# KiCad board pcb.kicad_pcb (continued)
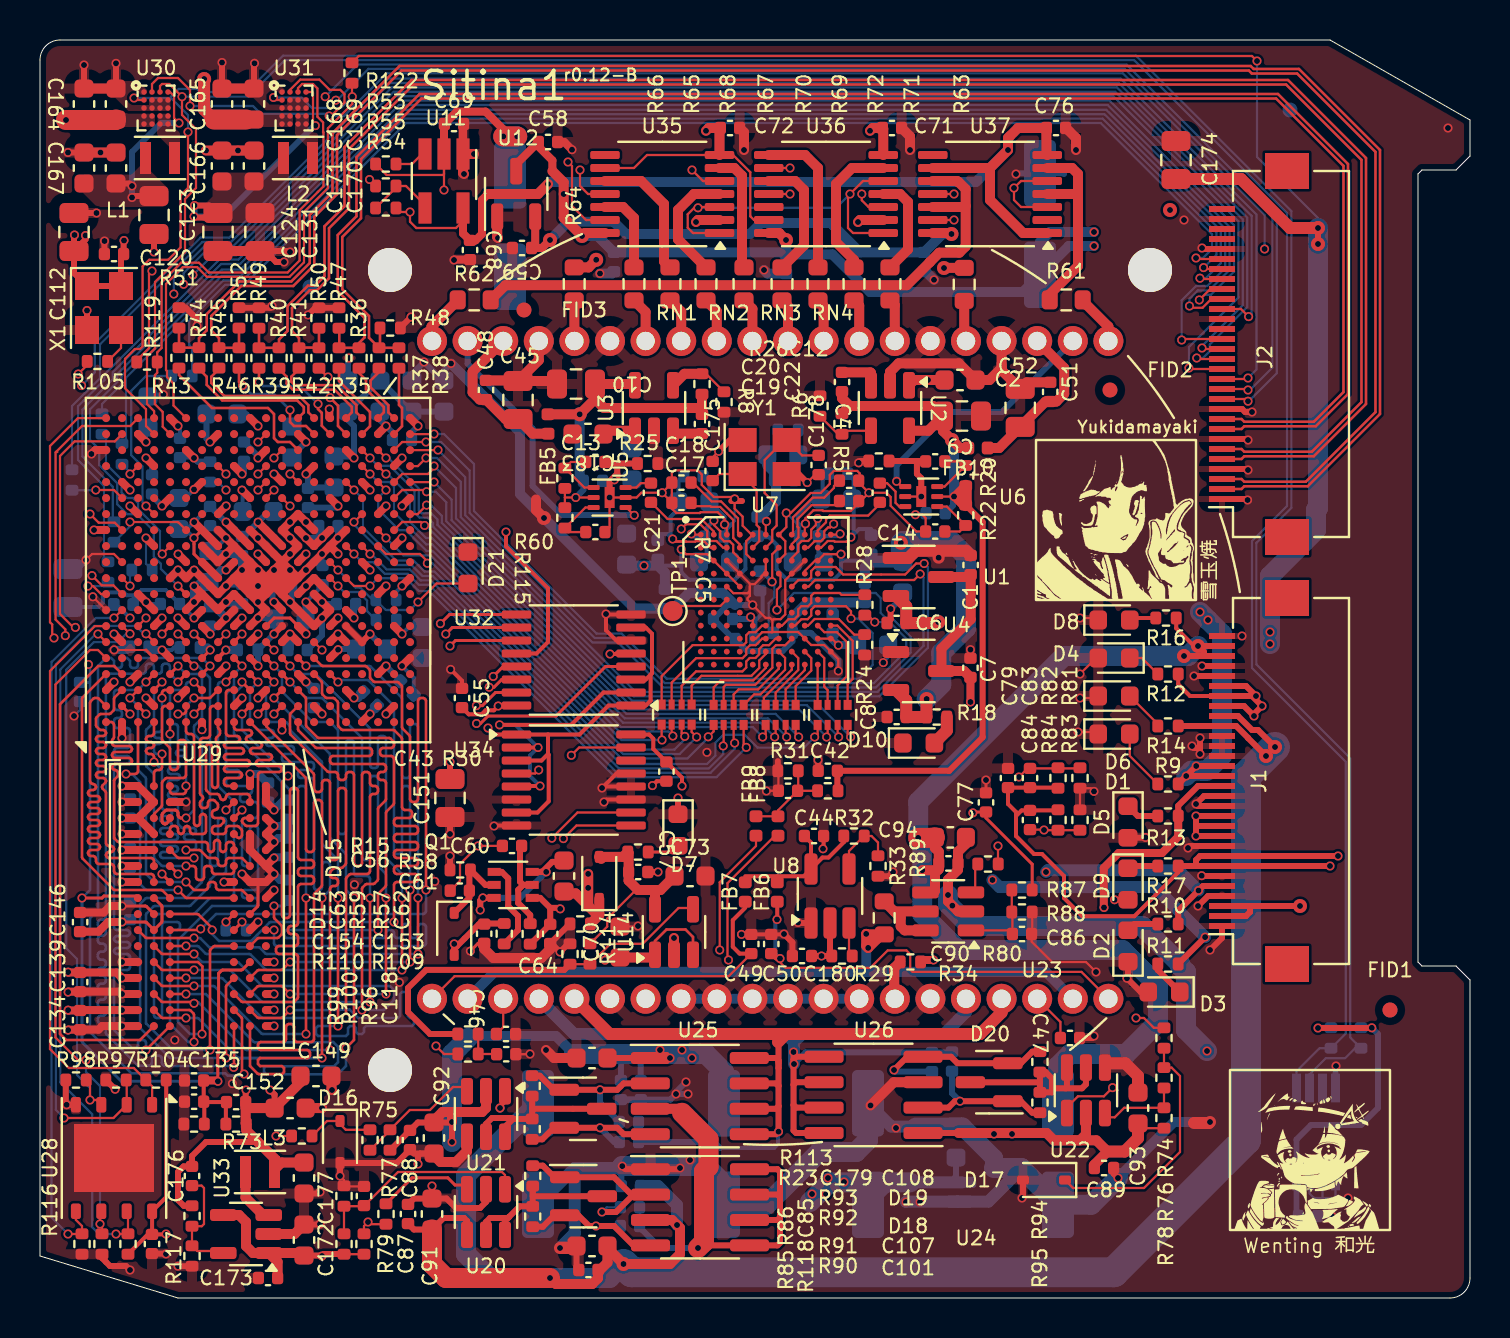
[diagram p0: board, top side]
## Nets (continued)
Net-(U11-NR/FB): R54.2 R55.1 U11.4
Net-(U14-ADJ): R113.1 R114.1 R115.2 U14.4
Net-(U20-IN+): R79.2 U20.3
Net-(U20-IN-): C85.2 R85.1 R86.2 U20.1
Net-(U21-IN+): R75.2 R77.2 U21.3
Net-(U21-IN-): C83.2 R81.1 R82.2 U21.1
Net-(U22-IN+): R76.2 R78.2 U22.3
Net-(U22-IN-): C84.2 R83.1 R84.2 U22.1
Net-(U23-IN+): R80.2 U23.3
Net-(U23-IN-): C86.2 R87.1 R88.2 U23.1
Net-(U23-OUT_SNK): R89.2 U23.5 U23.6
Net-(U25-SP): C95.1 C96.2 U24.5 U24.6 U24.7 U24.8 U25.3
Net-(U27F-PS_MIO40_501): R123.1 U27.D14
Net-(U27F-PS_MIO41_501): R124.1 U27.C17
Net-(U27F-PS_MIO42_501): R125.1 U27.E12
Net-(U27F-PS_MIO43_501): R126.1 U27.A9
Net-(U27F-PS_MIO44_501): R127.1 U27.F13
Net-(U27F-PS_MIO45_501): R128.1 U27.B15
Net-(U27G-PS_DDR_VRN_502): R108.2 U27.G5
Net-(U27G-PS_DDR_VRP_502): R107.2 U27.H5
Net-(U29-ZQ): R111.2 U29.L8
Net-(U33-FB): C176.1 R116.1 R117.2 U33.5
Net-(U33-SW): L3.1 U33.3
Net-(X1-OUT): R105.1 X1.3

Pads without a net: J1 MP; J2 MP; U7 B1 B11 C1 C11 D1 D2 D5 D10 D11 E1 E2 E10 E11 F1 F2 F4 F8 F9 F10 F11 G1 G2 G3 G4 G8 G9 G10 G11 H1 H2 H3 H4 J1 J2 J3 J4 K1 K2 K3 K4 K5 L1 L2 L3 L4 L5 L11; U9 3; U27 A15 A16 A17 A19 B5 B17 B18 B20 C5 C8 C10 C11 D10 D11 D13 D16 D18 E6 E11 E14 E17 E18 F14 F15 F16 F17 F19 G14 G15 G17 G18 G19 G20 H15 H16 H18 H20 J14 J15 J16 J18 J19 J20 K14 K16 K17 K18 K19 L14 L20 M14 M17 M19 M20 N15 N17 P1 P3 P14 P15 P16 P18 R1 R2 R3 R14 R16 R17 R18 T1 T2 T4 T5 T9 T14 T15 T17 U2 U3 U4 U5 U7 U8 U9 U10 U13 U15 V1 V2 V3 V5 V6 V7 V8 V10 V11 V15 W1 W3 W4 W5 W6 W8 W9 W10 W11 W14 Y1 Y2 Y3 Y4 Y6 Y7 Y8 Y9 Y11 Y12 Y13; U29 J1 J9 L1 L9 M7; U34 14; U35 8; U36 12; U37 2 8

## Via types
v1: diameter 0.45, hole 0.3, Top to Bottom, 649 vias
v2: diameter 0.7, hole 0.3, Top to Bottom, 25 vias
v3: diameter 0.46, hole 0.3, Top to Bottom, 13 vias

## Routing (per net, layer and track width the routed paths; a pad name or vN(x,y) marks a point on that pad's centre or on a via; arc(x,y) is an arc through that point)
+1V0_PL: length 32.9
  Top w0.11: v1(13.77,58.62) 13.65,58.73 13.65,60.25 13.6,60.3 U31.A4
  Top w0.15: U27.G11 7.7,37.2 v1(7.7,38) 8.1,38.4 U27.G13
  Top w0.3: v1(7.72,54.62) 8.45,54.62 8.82,54.25 C124.1 8.68,54.03 7.75,54.03 v1(7.7,54.08)
  Top w0.4: 14.5,38.4 v1(14.1,38) 13.7,37.6 v1(13.3,38) 12.9,38.4 ; 10.5,37.6 v1(9.3,38.8) 9.7,38.4 ; U27.H10 U27.G11 ; v1(7.7,38.8) 8.9,37.6 ; v1(10.9,38.8) 12.1,37.6
  Bottom w0.2: v1(7.7,38) 7.25,38.45 C128.1 7.36,38.45 v1(7.7,38.8) 8.48,39.58 C125.1
  Bottom w0.3: v1(13.77,58.62) 13.72,58.62 9.18,54.08 v1(7.7,54.08) 7.72,54.1 v1(7.72,54.62) ; C119.1 13.94,38.16 v1(14.1,38) v1(13.3,38) ; C125.1 9.28,38.8 v1(9.3,38.8) 10.02,38.08 C116.1 10.18,38.08 v1(10.9,38.8) 11.43,39.32 C122.1
+1V0_PS: length 17.5
  Top w0.11: v1(6.95,58.75) 6.7,59 6.7,60.1 6.5,60.3 U30.A4
  Top w0.15: U27.N7 12.5,34 11.71,34 U27.L7
  Top w0.3: v1(4.6,55.6) 4.47,55.73 C166.1 ; v1(4.6,55.03) 4.68,55.1 C123.1
  Top w0.4: 13.7,34.4 v1(13.3,34.8) ; 12.9,33.6 v1(13.3,33.2) ; U27.G7 8.11,33.6 v1(8.5,33.2) ; 9.7,33.6 v1(10.1,34) ; 14.5,33.6 v1(14.9,34)
  Bottom w0.2: C117.1 14.12,35.62 v1(13.3,34.8)
  Bottom w0.3: v1(8.5,33.2) 8.5,33.2 C115.1 ; v1(13.3,34.8) 13.28,34.78 C121.1 13.28,33.23 v1(13.3,33.2) ; v1(4.6,55.03) v1(4.6,55.6) 4.6,57.3 6.05,58.75 v1(6.95,58.75)
  Bottom w0.4: 8.5,33.62 v1(8.5,33.2)
+1V5: length 64
  Top w0.2: v1(23.3,38.3) 23.3,37.58 25.4,35.48 25.4,32.8 24.82,32.23 U32.12
  Top w0.4: U12.2 24.76,52.68 C59.1 25.1,52.5 v2(25.5,52.9)
  Top w0.5: U37.14 45.53,53.25 v2(45.57,53.2)
  In2.Cu w0.11: v2(25.5,52.9) 24,54.4 21.4,54.4 20.83,53.83 16.65,53.83 15.12,52.3 15.12,50.25 17.4,47.97 17.4,46.3 17.78,45.92 19.45,45.92 22.8,42.57 22.8,38.8 v1(23.3,38.3)
  Bottom w0.5: v2(45.57,53.2) 45.12,53.2 C65.1 41,52.28 39.53,53.75 36.05,53.75 35.5,53.2 29.3,53.2 28.69,53.81 26.41,53.81 v2(25.5,52.9)
+1V8: length 33
  Top w0.3: 56.55,54.45 v2(56.5,54.4)
  Top w0.4: 15.3,42.4 v1(15.7,42) ; 7.3,34.4 v1(7.7,34.8) 8.1,35.2 8.9,34.4 v1(9.3,34.8) 9.7,35.2 10.5,34.4 ; 11.3,36.8 v1(10.9,37.2) ; 12.9,35.2 v1(13.3,35.6) 13.7,36 14.5,35.2 ; U27.G9 v1(7.7,35.6) ; 17.7,41.6 v1(18.1,42) ; 16.9,39.2 v1(17.3,39.6) ; 9.7,36.8 v1(9.3,36.4) ; 12.1,34.4 v1(11.7,34.8) ; 14.5,40 v1(14.9,39.6) ; 18.5,44 v1(18.9,43.6) ; 12.9,36.8 v1(13.3,37.2) ; 7.3,36.8 v1(6.9,37.2) ; 12.9,43.2 v1(13.3,42.8)
  Bottom w0.2: v1(4.5,34) 3.82,34.68 3.66,34.68 ; v1(7.7,35.6) 7.91,35.8 C129.1
  Bottom w0.3: v1(9.3,34.8) 9.38,34.72 C126.1 ; C127.1 11.62,34.88 v1(11.7,34.8) ; C133.1 C132.1 ; C132.1 18.55,44.33 C184.1 16.95,45.88 C185.1 15.4,43.9 15.7,43.6 v1(15.7,42) 15.62,42.08 C130.1 ; C132.1 18.6,43.9 v1(18.9,43.6) 18.58,43.28 C156.1 ; C157.1 12.6,42.1 v1(13.3,42.8) ; C155.1 14.82,39.52 v1(14.9,39.6)
  Bottom w0.4: v1(7.7,34.8) 7.7,35.59 v1(7.7,35.6) ; C129.1 9.05,36.4 v1(9.3,36.4)
+1V8A: length 21.9
  Top w0.11: U7.H5 35.64,33.94 v3(35.53,34.05) ; U7.J10 U7.J11 39.59,32.97 v1(39.92,32.64)
  Top w0.6: v2(44.91,33.8) 44.86,33.75 C6.1 43.31,34.58 U1.2
  In2.Cu w1: v2(44.91,33.8) 43.75,32.64 v1(39.92,32.64) 36.7,32.64 35.53,33.81
  Bottom w0.11: 35.35,33.94 35.46,34.05 v3(35.53,34.05)
  Bottom w0.2: 35.82,33.95 35.83,33.95 36.13,34.24 36.13,35.25 FB1.2 ; 35.82,33.95 35.72,33.85 35.72,33.25 ; 35.82,33.95 35.63,33.95 v3(35.53,34.05)
  Bottom w0.3: C27.2 35.72,33.86 v3(35.53,34.05) 35.43,33.95 C33.2
  Bottom w0.4: C35.2 39.93,32.65 v1(39.92,32.64) 39.63,32.93 C34.2
+1V35: length 57.2
  Top w0.15: v1(4.1,18.8) 5.26,18.8 arc(5.3,18.79) 5.33,18.77 5.7,18.4 6.07,18.77 arc(6.09,18.8) 6.1,18.84 6.1,19.56 arc(6.09,19.6) 6.07,19.63 5.7,20
  Top w0.3: v1(10.3,10.4) 10.28,10.38 C153.1 ; v1(11.5,10.4) 11.73,10.17 C152.1 ; 10.9,7.8 8.3,7.8 7.6,7.1 C176.2 7.18,6.58 6.9,6.3 6.9,4.9 7.19,4.61 R116.2 ; C151.1 v1(20.5,26.8)
  Top w0.4: 3.3,30.4 v1(3.7,30.8) ; 8.9,31.2 v1(9.3,31.6) ; 14.5,32 14.9,32.4 v1(14.9,32.42) ; 4.9,24 4.11,24 v1(4.1,24) ; 4.9,24 5.7,23.2 ; 4.9,24 5.7,24.8 4.9,25.6 v1(4.1,25.6) ; 9.7,20.8 v1(9.2,20.8) ; 4.9,16 v1(4.1,16) 3.82,16.28 C139.1 1.42,16.28 v1(1.4,16.3) ; 5.7,29.6 v1(5.3,30) ; 4.9,21.6 v1(4.1,21.6) ; 6.5,32 v1(6.1,32.4) ; 4.24,14.4 2.02,14.4 C134.1 1.42,14.38 v1(1.4,14.4) ; 4.24,14.4 U29.R1 ; 4.24,14.4 v1(4.1,14.4) ; 11.3,16 v1(11.7,16) ; 11.3,22.4 v1(11.7,22.8) 11.3,23.2 v1(11.7,23.6) 11.3,24 ; 11.3,30.4 v1(10.9,30) ; 8.1,28.8 v1(8.1,28.42) ; 10.5,18.4 v1(10.9,18.8) ; 13.7,29.6 v1(14.1,29.2) ; 16.1,28.8 v1(16.5,29.2) ; 11.3,14.4 v1(11.7,14.4) ; 10.5,25.6 v1(10.5,26.2) ; 16.9,31.2 v1(17.3,31.6) ; 11.3,20 v1(11.7,20.4) ; C146.1 2.92,18.32 3.41,18.8 v1(4.1,18.8)
  Top w0.5: C149.1 13.03,10.79 C152.1 10.29,9.5 10.28,9.5 ; 10.28,9.5 10.28,8.73 R109.1 10.31,8.39 11.72,6.97 L3.2 11.72,6.43 12.07,6.78 C177.1 ; 10.28,9.5 C153.1
  Bottom w0.2: v1(6.1,32.4) 6.58,32.4 6.71,32.53 R108.1
  Bottom w0.3: v1(14.9,32.42) 14.94,32.45 C148.1 ; v1(17.3,31.6) 18.01,30.89 C145.1
  Bottom w0.4: 11.4,25.72 10.95,26.17 arc(10.92,26.19) 10.88,26.2 v1(10.5,26.2) ; 16.84,29.58 16.5,29.23 v1(16.5,29.2) ; C138.1 5.61,32.4 v1(6.1,32.4) ; v1(11.7,22.8) 11.9,23 C137.1 C147.1 12.07,23.6 v1(11.7,23.6) ; v1(14.1,29.2) 13.7,29.6
+2V: length 157.4
  Top w0.2: v1(28.5,32.2) 28.79,32.2 28.81,32.23 U32.5 ; v1(22.98,28.66) 26.56,28.66 28.18,30.28 U32.2 ; U34.5 23.85,25.6 v1(25,25.6) ; v1(24.9,27.53) U34.2
  Top w0.3: 60.5,19.6 v2(63,19.6) ; 60.5,19.6 J1.3 ; 60.5,19.6 60.5,19.3 60.3,19.1 J1.2
  Top w0.4: U12.3 23.81,56.69 C58.1 24.92,57.58 25.62,56.88 25.62,56.34
  Top w0.5: U35.14 27.25,53.25 v2(27.1,53.1) 26.19,54.02 v1(26.19,55.2) 26.19,55.78 25.62,56.34 ; v2(37.3,52.9) 36.95,53.25 U36.14
  In2.Cu w0.11: v1(22.98,28.66) 22.52,29.12 22.52,29.78 22.05,30.25 22.05,42.38 19.23,45.2 17.3,45.2 16.74,45.76 16.74,47.69 14.46,49.97 14.46,52.57 16.89,55 25.99,55 v1(26.19,55.2)
  In2.Cu w0.2: v1(28.5,32.2) 27.56,31.27 27.56,29.87 25.22,27.53 v1(24.9,27.53)
  In2.Cu w1.5: v2(63,19.6) 63,35.3 59.29,39.01 59.29,54.21 57.7,55.8 54.5,55.8 52.7,54 v1(52.7,52.6)
  Bottom w0.2: v1(22.98,28.66) 23.77,28.66 v1(24.9,27.53) 24.5,27.12 24.5,26.1 v1(25,25.6)
  Bottom w0.5: v2(27.1,53.1) 27.88,53.1 C66.1 37.2,52.28 C67.1 ; v1(52.7,53.3) 50.5,53.3 50,52.8 C53.1 ; C67.1 v2(37.3,52.9) ; C67.1 39.62,52.18 41.5,50.3 49.14,50.3 C53.1 ; C53.1 50.3,51.46 ; C53.1 51.44,52.6 v1(52.7,52.6)
+3V0: length 58.1
  Top w0.11: v3(40.05,37.19) 39.21,37.19 U7.C10 38.75,36.87 38.24,36.36 U7.D9 ; U7.E4 U7.D3 U7.C2 33.37,37.19 32.31,37.19 v1(32.06,37.43)
  Top w0.6: v2(44.33,29.95) 44.32,29.94 R18.2 C8.1 43.31,29.88 U4.2
  In2.Cu w1: v2(43.04,37.76) 41.38,36.1 38.7,36.1 37.8,37 34.6,37 33.9,36.3 30.52,36.3 v1(30.2,36.62)
  Bottom w0.2: 40.05,36.77 v3(40.05,37.19) ; 40.05,36.77 40.15,36.87 41.56,36.87 ; 40.05,36.77 40.05,36.28 39.68,35.91 37.35,35.91 36.83,36.43 36.83,37.66 36.45,38.04 35.63,38.04 35.27,37.69 35.27,36.45 34.73,35.91 32.44,35.91 32.06,36.29 32.06,36.64 ; 32.06,36.64 32.04,36.62 31.15,36.62 ; 32.06,36.64 v1(32.06,37.43)
  Bottom w0.5: C31.2 41.24,36.55 41.56,36.87 ; 29.39,36.62 v1(30.2,36.62) 30.89,36.62 31.24,36.27 C32.2
  Bottom w0.6: 43.13,36.83 41.61,36.83 41.56,36.87
  Bottom w1: v2(44.33,29.95) 45.06,30.68 45.06,32.26 46.3,33.5 46.3,37.1 45.55,37.85 43.13,37.85 v2(43.04,37.76) 43.04,36.92 43.13,36.83
+3V3: length 488.5
  Top w0.11: v1(60.85,61.85) 60.6,62.1 15.94,62.1 R122.1 ; R85.2 R118.2 ; U30.A2 5.6,60.7 5.9,61 6.9,61 7.5,60.4 v1(7.5,59.6) ; U31.A2 12.5,60.41 13.01,60.92 13.97,60.92 14.48,60.41 15.01,60.41 15.22,60.2 15.22,59.77 14.55,59.1 v1(14.46,59.1) 14.48,59.12 ; v1(5.6,51.35) 5.45,51.2 5.45,47.49 4.84,46.88 R119.1 ; v1(22.91,29.6) 22.94,29.62 U32.16
  Top w0.15: v1(46.64,24.26) 46.69,24.3 C77.2 47.3,24 49.61,21.69 R87.2
  Top w0.2: C55.1 21.44,29.18 22.08,29.18 22.28,29.39 22.69,29.39 v1(22.91,29.6) ; R104.1 6.31,5.04 U28.8 5.6,3.19 C118.2 ; v1(6.3,3.2) 6.28,3.18 C118.2 ; R96.1 5.39,3.18 C118.2 ; U34.16 30.46,28.18 30.66,27.97 30.66,27.46 C57.1 32.1,26.02 v1(32.1,25.6)
  Top w0.3: v1(2.28,53.12) 2.28,52.93 C112.2 ; 57.8,23.5 v1(57.8,23.1) J1.10 ; 57.8,23.5 57.9,23.6 ; 57.8,23.5 57.8,23.9 ; C173.2 11.9,1.02 11.9,1.89 11.44,2.35 ; J1.12 v1(57.8,24.1) 57.8,23.9 ; C172.1 14.07,2.12 v1(14.1,2.1) 14.2,2.2 15.39,2.2 ; 57.8,23.9 57.8,23.7 57.9,23.6 ; v2(63.9,52.7) v2(63.9,53.5) 63.85,53.45 ; v1(66.59,13.51) 66.58,13.5 v1(63.9,13.5) ; J1.11 57.9,23.6 ; v1(4.2,52.88) 4.18,52.86 C120.2 4.05,52.07 X1.4 X1.1 1.7,51.25 C112.2 ; C112.2 1.7,53.12 v1(1.72,53.15)
  Top w0.4: 5.7,33.6 v1(6.1,34) ; 14.5,32.8 v1(14.9,33.2) 15.3,32.8 ; 9.7,41.6 v1(10.1,41.2) ; 10.5,44 v1(10.9,43.6) ; C7.1 v1(46.52,29.8) ; 15.3,34.4 v1(15.7,34) ; 5.7,37.6 v1(5.3,38) ; v1(9.3,39.6) 9.3,39.6 8.9,39.2 ; 12.1,40.8 v1(11.7,41.2) ; 6.5,40 v1(6.1,39.6) ; 7.3,42.4 v1(7.7,42) ; 12.1,32.8 v1(12.5,33.2) 12.9,32.8 ; 10.5,32.8 v1(10.9,33.2) ; 4.1,40.8 v1(4.5,40.4) ; 17.7,33.6 v1(18.1,33.2) ; 18.5,36 v1(18.1,35.6) ; 4.9,43.2 v1(5.3,42.8) ; 16.1,36.8 v1(16.5,36.4) ; 3.3,38.4 v1(2.7,38.4) ; 4.1,32.8 v1(3.7,33.2)
  Top w0.5: U33.1 10.65,2.25 10.3,2.6 10.3,3.8 9.95,4.15 U33.4 ; U33.1 13.07,2.25 C172.1 ; U33.1 11.88,1.81 C173.2 ; U1.3 46.41,36.05 C1.1 46.53,33.93 45.07,32.47 U4.3 46.2,31.35 C7.1
  Top w0.6: v2(8.21,60.95) 8.21,59.42 8.7,58.93 ; v2(63.9,53.5) 62.5,53.5 60.05,55.95 C174.1
  Top w1: v2(1.3,58.9) 3.78,58.9 C165.1 ; 10.3,58.93 8.7,58.93
  In2.Cu w1: 46.47,27 53.7,27 ; 46.47,27 46.47,24.44 v1(46.64,24.26) 46.59,24.2 33.88,24.2 32.29,25.79 ; 46.47,27 46.47,29.74 v1(46.52,29.8) ; 53.7,27 56.9,23.8 57.8,23.8 57.89,23.71 57.89,23.19 ; 53.7,27 55.8,27 v1(61.5,32.7) v1(61.5,33.3) ; v1(6.3,3.2) 13,3.2 v1(14.1,2.1) 18.5,2.1 21.7,5.3 33.5,5.3 36.1,2.7 53.58,2.7 63.9,13.02 v1(63.9,13.5) 63.9,18.58 66.5,21.18 66.5,38.4 63.9,41 v2(63.9,52.7) 63.9,55.3 58.3,60.9 2.6,60.9 1.3,59.6 v2(1.3,58.9)
  In3.Cu w0.3: v1(22.91,29.6) 22.71,29.6 21.02,31.3 21.02,31.63 20.73,31.92 20.4,31.92 19.11,33.2 v1(18.1,33.2)
  Bottom w0.11: 63.9,54 60.85,57.05 v1(60.85,61.85) ; v1(61.23,52.45) 61.23,54.15 54.14,61.23 17.34,61.23 15.2,59.1 v1(14.46,59.1) 14.35,59.21 11.04,59.21 10.65,59.6 v1(7.5,59.6) ; R112.1 5.3,36.71 v1(5.3,38)
  Bottom w0.2: C158.1 7.68,42.02 v1(7.7,42) ; C160.1 5.3,43.43 v1(5.3,42.8) ; R102.1 17.82,33.48 v1(18.1,33.2) 18.45,33.55 C163.1 ; v1(18.1,35.6) 17.81,35.31 R101.1
  Bottom w0.3: v1(7.7,42) 7.88,41.82 R103.1 ; R120.1 v1(66.59,13.51) 66.9,13.2 66.9,9.5 66.05,8.65 63.55,8.65 62.82,7.93 62.82,4.19 C181.2 ; v1(15.7,34) 15.7,34.61 C162.1 ; v1(10.9,43.6) 10.3,44.2 C111.2 ; v1(6.1,39.6) 5.6,40.1 C161.1 ; C159.1 10.2,41.3 v1(10.1,41.2) ; v1(63.9,13.5) 63.91,13.51 R121.1
  Bottom w0.4: C110.2 12.5,32.5 v1(12.5,33.2)
  Bottom w1: v2(63.9,53.5) 63.9,39.5 63.8,39.4 63.8,38.4 61.5,36.1 v1(61.5,32.7)
+5V: length 57.3
  Top w0.2: R16.2 56.81,33.49 57.7,32.6 v2(57.9,32.6)
  Top w0.3: J1.28 58.2,32.1 ; 58.2,32.1 v2(57.2,32.1) ; 58.2,32.1 58.2,32.3 v2(57.9,32.6) J1.29
  Top w0.5: 44.06,20.28 44.67,20.28 44.75,20.36 44.75,21.1 ; C94.2 44.74,22.51 44.94,22.31 C90.2 44.94,21.44 44.89,21.39 v1(44.11,21.39)
  Top w1: v1(43.91,23) 44.72,23 C94.2
  Bottom w1: 56.2,32.1 57.4,32.1 v2(57.9,32.6) ; 56.2,32.1 v2(57.2,32.1) ; 56.2,32.1 51.2,32.1 43.91,24.81 v1(43.91,23) 44.11,22.8 44.11,19.2 45.91,17.4 54.11,17.4 55.9,15.61 55.9,13.8 54.3,12.2 51.5,12.2 50.9,11.6 C82.1
+8V: length 108.1
  Top w0.3: R14.2 J1.21 59.81,28.6 60.4,28.01 60.4,28 v2(61.3,27.1) ; 21.35,2.95 21.35,3.85 21.2,4 20.18,4 C91.2 18.69,3.43 C87.2 ; v2(61.75,27.55) 60.9,28.4 60.6,28.4 59.9,29.1 J1.22
  Top w0.5: U24.3 31.6,3.9 v1(31.85,3.65) 32,3.5 32,2.2 31.5,1.7 v2(29.18,1.7) 28.38,2.5 28.38,1.78 27.9,1.3 27.9,0.99 27.61,0.7 25.8,0.7 v2(25.5,1)
  Top w1: C91.2 19.6,1.7 20.3,1 v2(25.5,1)
  Bottom w0.6: v1(31.85,3.65) 31.85,4.65 30.9,5.6 C104.2
  Bottom w1: 26.5,1 28.47,1 v2(29.18,1.7) ; 26.5,1 v2(25.5,1) ; 26.5,1 22.5,1 21.3,2.2 21.3,6.14 C81.1
  Bottom w1.5: v2(29.18,1.7) 29.59,1.29 53.69,1.29 60.3,7.9 60.3,26.1 v2(61.75,27.55)
+15VL: length 41.2
  Top w0.11: U6.5 v1(45.7,40.07) 46.26,40.07 46.29,40.1 ; 46.29,40.1 R20.1 ; 46.29,40.1 R22.1
  Top w0.3: R30.1 39.87,25.39 C42.1 45.46,26.36 47.13,28.03 47.13,38.8 45.86,40.07 v1(45.7,40.07)
  Top w0.4: R22.1 46.13,39.65 v1(45.7,40.07) 46.24,40.61 R20.1
  Top w0.5: 40.49,44.6 44.65,44.6 C9.1 ; 40.49,44.6 40.1,44.99 C4.2 ; 40.49,44.6 R5.1 ; FB10.1 46,42.5 v2(45.6,42.9) 45.15,43.35 C9.1 ; C9.1 44.41,43.36 U2.5
  Top w0.6: R20.1 R22.1
  Bottom w0.3: C16.1 45.65,39.62 45.65,40.02 v1(45.7,40.07)
  Bottom w0.5: v2(45.6,42.9) 45.7,42.8 v1(45.7,40.07)
+15VR: length 18.8
  Top w0.11: 26.24,40.02 v1(26.79,40.02) U5.5 ; 26.24,40.02 R19.1 ; 26.24,40.02 R21.1
  Top w0.5: 27.75,44.95 v2(26.99,44.19) FB5.1 ; 27.75,44.95 C10.1 29.69,45.7 U3.5 ; 27.75,44.95 28.2,44.5 33,44.5 33.1,44.6 ; R7.1 33.1,44.6 ; 33.1,44.6 C5.2
  Bottom w0.3: v1(26.79,40.02) 27.17,40.41 C15.1
  Bottom w0.5: v2(26.99,44.19) 26.99,41.04 C15.1
+16V: length 56.8
  Top w0.3: J1.16 v1(57.31,26.1) R9.2 v1(57.81,26.6) J1.17
  Top w0.5: C183.1 28.34,43.36 U3.1 ; U2.1 43.71,45.9 v1(44.4,45.9) C2.1
  In2.Cu w1: v1(29,43.36) 31.54,45.9 v1(44.4,45.9) 49.2,45.9 58,37.1 v1(58,34.3)
  Bottom w0.3: C2.1 v1(44.4,45.9) ; C3.1 29.6,42.76 v1(29,43.36)
  Bottom w1: v1(58,34.3) v1(58.4,33.9) 59.1,33.2 59.1,27.12 58.35,26.37 57.57,26.37 v1(57.31,26.1)
+22V: length 50.1
  Top w0.13: U14.3 32.65,18.05 32.28,18.43 31.32,18.43 30.75,17.85 U14.1
  Top w0.3: 25.51,19.5 25.01,20 Q1.4 ; 25.51,19.5 C62.2 24.52,17.69 R57.1 ; 25.51,19.5 25.96,19.5 v1(26.01,19.46) ; R10.2 56.91,19.36 v1(57.93,20.38) 58.15,20.6 J1.5
  Top w0.4: v1(28.25,16.89) 28.39,17.03 C70.1
  Top w0.5: U14.1 30.61,17.03 C70.1
  In2.Cu w0.4: v1(28.25,16.89) 28.25,18.85 28.4,19
  In2.Cu w0.6: v1(50.3,21.3) 47.9,18.9 45.1,18.9 44.2,19.8 29.2,19.8 28.4,19 26.5,19 26.12,19.38 26.01,19.38
  Bottom w0.6: v1(57.93,20.38) 56.91,21.39 50.39,21.39 v1(50.3,21.3)
-3V5: length 81.4
  Top w0.11: 21.15,54.65 21.15,53.85 20.8,53.5 18.81,53.5 18.5,53.82 v1(18.5,54.3) 18,54.3 R54.1
  Top w0.15: v1(22.66,31.08) 23.16,31.58 U32.13
  Top w0.4: 21.15,54.65 21.15,53.23 C68.1 21.78,52.88 22.1,53.2 22.1,54.9 22.4,55.2
  Top w0.5: 47.5,56.5 v1(48.4,57.4) 48.4,58 48.9,58.5 C76.2 50.32,57.19 U37.7 ; 47.5,56.5 47.5,54.9 49.15,53.25 U37.1 ; 47.5,56.5 U37.9 ; v1(25.4,55.7) 24.9,55.2 22.4,55.2
  In2.Cu w0.11: v1(22.66,31.08) 22.5,31.24 22.5,42.56 19.36,45.7 17.6,45.7 17.18,46.12 17.18,47.88 14.9,50.16 14.9,52.39 16.81,54.3 v1(18.5,54.3)
  Bottom w0.5: v1(48.4,57.4) 46.8,55.8 25.5,55.8 v1(25.4,55.7)
-4V: length 197.6
  Top w0.11: 20.2,57.35 20.2,56.2 20.15,56.15 17.33,56.15 R53.1 ; U36.13 35.7,53.9 35.51,54.09 35.51,56.29 34.65,57.15 U35.7 30.35,57.15 29.7,56.5 U35.9 ; v1(20.2,55.4) U11.2
  Top w0.2: U32.3 30.29,30.93 30.53,31.17 ; U34.7 24.88,24.28 25.44,24.84 25.44,27.17 25.4,27.2 ; 48.8,24.1 48.8,24.3 48.4,24.7 C79.1 C83.1 50.87,25.52 R82.1 ; 48.8,24.1 48.8,23.1 49.7,22.2 50.1,22.2 51.2,21.1 51.2,20 52.11,19.09 54.72,19.09 56.91,21.28 R17.2 ; 48.8,24.1 49.08,24.38 C84.1 50.87,24.38 R84.1 ; 25.4,27.2 25.07,26.88 U34.3 ; 25.4,27.2 25.4,28.18 ; 30.53,31.17 30.53,29.87 30.29,29.62 U32.1 28.43,29.62 26.97,28.18 25.4,28.18 ; 30.53,31.17 30.6,31.24 30.6,33.21 30.29,33.53 U32.7 ; 25.4,28.18 U34.1 22.72,28.18 v1(22.4,28.5)
  Top w0.3: v1(64.9,22.1) J1.8 58,22.1 57.8,21.9 57.8,21.6 ; 57.8,21.6 R17.2 ; 57.8,21.6 J1.7 v1(64.5,21.6)
  Top w0.4: U11.2 20.2,58.68 C69.1 20.84,59.32 22.28,59.32 23.16,58.44 v3(23.16,58.08)
  Top w0.5: U35.7 33.97,58.46 C72.2 33.44,58.5 v1(33.3,58.36) ; U36.7 42.16,58.46 C71.2 41.64,58.5 v1(41.5,58.36)
  Top w1: v3(23.16,58.08) v3(23.86,58.08)
  In2.Cu w0.11: v1(20.2,55.4) 20.02,55.58 17.15,55.58 14.24,52.67 14.24,49.88 16.52,47.6 16.52,45.6 17.22,44.9 19.22,44.9 21.83,42.29 21.83,30.16 22.3,29.69 22.3,28.6 v1(22.4,28.5)
  In2.Cu w1.5: v1(64.9,22.1) 64.9,37.3 62.4,39.8 62.4,54.3 58.2,58.5 23.71,58.5 23.22,58.02
  Bottom w1: v3(23.16,58.08) v3(23.86,58.08) 23.5,57.72 23.5,55.25
-8VA: length 29.5
  Top w0.3: R13.2 56.91,24.61 57.9,25.6 J1.15 ; C180.2 R29.1 39.5,17.19 U8.2
  Top w0.4: v1(44.68,16.9) 44.12,16.9 R34.1 ; R13.2 56.91,23.06 56.1,22.25 53.93,22.25 53.19,21.51 53.19,19.54 v1(53.2,19.53)
  In2.Cu w0.4: v1(39.07,17.1) 39.3,16.88 44.65,16.88 v1(44.68,16.9) 51.03,16.9 53.2,19.08 v1(53.2,19.53)
-9V: length 169.7
  Top w0.11: C93.1 55.13,8.49 R78.1 ; 52.22,8.1 52,7.88
  Top w0.2: J1.24 57.5,30.1 56.91,30.69 R12.2
  Top w0.3: U25.1 28.8,12 ; J1.24 60.6,30.1 v1(61.1,29.6) 60.7,29.2 v1(60.7,29.1) 60.2,29.6 J1.23 ; R77.1 17.51,7.39 C88.1 18.9,8.78 C92.1 ; 44.22,8.25 45.93,8.25 ; v1(20.6,7.8) 20.6,8.78 19.47,8.78 ; J1.25 60.3,30.6 v1(60.8,30.1)
  Top w0.5: C89.1 52.72,6.67 53.38,7.33 52.82,7.88 50.69,7.88 ; 50.69,7.88 52,7.88 52.3,8.18 52.3,9.03 ; 50.69,7.88 50.33,8.25 45.93,8.25 ; 22.3,10.55 22.3,9.5 22.1,9.3 20.6,9.3 ; C94.1 46.29,22.71 45.9,22.31 C90.1 45.9,21.41 45.4,20.91 45.4,19.84 45.9,19.33 46.76,19.33 ; 20.6,9.3 v1(20.6,8.8) ; 20.6,9.3 20.12,9.3 19.6,8.78
  Top w0.6: C93.1 54.9,7.99 54.23,7.33 53.38,7.33
  In2.Cu w1.5: v1(58.35,12.35) 59.8,13.8 59.8,28.3 v1(61.1,29.6)
  In2.Cu w2: 20.6,8.15 24.35,8.15 24.55,8.35
  In2.Cu w2.5: 39.3,4.9 38.1,4.9 34.46,8.54 31.22,8.54 29.92,9.84 29.92,12 ; 39.3,4.9 41.01,6.61 44.01,6.61 45.6,8.2 54.2,8.2 v1(58.35,12.35) ; 39.3,4.9 v1(40.2,5.8) ; 24.55,8.35 26.1,9.9 26.1,10.8 27.3,12 31.17,12 31.43,12.25
  Bottom w0.3: C103.2 C106.1 45.8,6.08 C109.1 ; C102.2 30.03,11.97 29.8,12.2 ; C105.1 29.05,12.15 29,12.2 26.7,12.2
  Bottom w0.5: 26.7,12.2 25.8,13.1 21.5,13.1 20.6,12.2
  Bottom w0.6: 46.1,5.78 42.52,5.78 C78.2
  Bottom w1: 43.5,5.78 39.48,5.78 38.5,4.8 ; v1(58.35,12.35) 57.3,13.4 57.3,16.3 57.01,16.59 57.01,16.69 55.1,18.6 46.5,18.6 45.4,19.7 v1(45.4,20.15) ; C80.2 34.2,11.3 33.3,12.2 26.7,12.2 ; v1(20.6,7.8) 20.6,12.2 21.4,13
  vias: v1(31,12.4) v1(31.5,12) v1(32.1,12.4) v1(32.6,12) v1(38.6,5.2) v1(39.3,5.2) v1(39.4,6) v1(45.62,19.62) v1(47.7,8.2) v1(48.6,8.2)
-15V: length 45.7
  Top w0.3: 20.71,17.15 20.71,17.45 20.83,17.58 ; v1(20.71,17.7) 20.83,17.58 ; 20.83,17.58 21.95,18.69 22.21,18.69 22.24,18.72 23.21,18.72 ; v1(58.25,18.05) R11.2
  In2.Cu w0.6: v1(47.62,20.9) 44.9,20.9 44.6,20.6 28.9,20.6 28.1,19.8 26.99,19.8 26.7,20.09 24.39,20.09 22.3,18 21,18 v1(20.71,17.7)
  Bottom w0.6: v1(58.25,18.05) 55.75,20.55 47.97,20.55 v1(47.62,20.9)
/afe/AVDDA: length 6.3
  Top w0.11: v1(32.57,38.2) 32.61,38.17 U7.A1 ; v1(33.7,38.88) 33.7,38.65 34.01,38.34 34.01,38.03 34.2,37.84 34.48,37.84 34.66,37.66 34.66,37.29 34.99,36.96 U7.C4
  Bottom w0.2: v1(32.57,38.2) 32.71,38.07 33.36,38.07 33.36,38.04 ; 33.36,38.04 33.33,38.01 33.33,37.25 33.43,37.15 33.43,36.8 ; 33.36,38.04 33.36,38.54 v1(33.7,38.88)
/afe/AVDDB: length 6.7
  Top w0.11: v1(38.89,38.98) 38.79,38.88 38.79,38.65 38.56,38.42 38.56,38 38.41,37.85 38.08,37.85 37.91,37.68 37.91,37.32 37.59,37 U7.C8 ; U7.A11 39.97,38.17 v1(40.01,38.21)
  Bottom w0.2: C26.2 38.92,37.31 39.19,37.04 C25.2 ; C26.2 38.92,38.94 v1(38.89,38.98) ; C26.2 39.89,38.09 v1(40.01,38.21)
/afe/AVSS: length 8.7
  Top w0.11: C175.1 33.63,42.03 v1(33.93,42.33) ; 39.65,38.7 v1(39.68,38.7) 39.51,38.53 39.4,38.53 39.21,38.34 39.21,38.01 39.05,37.84 38.73,37.84 38.41,37.52 U7.B9 ; v1(38.36,40.77) 38.76,41.17 C178.1 ; v1(32.06,38.45) 32.3,38.68 33.02,38.68 33.36,38.34 33.36,38.02 33.53,37.85 33.82,37.85 34.15,37.52 U7.B3
  Top w0.3: v1(38.36,40.77) 37.93,41.2 37.23,41.2 ; 34.5,42.9 v1(33.93,42.33)
/afe/AVSSA: length 32.6
  Top w0.11: C18.2 C17.2 ; C18.2 31.59,41.26 31.72,41.38 32.88,41.38 33.09,41.18 33.09,40.66 33.69,40.05 34.63,40.05 v3(34.73,39.95) 34.73,39.47 35.13,39.07 35.13,38.62 35.58,38.17 U7.A5 35.31,37.84 35.31,37.2 U7.C5 ; C18.2 31.59,40.75 v1(31.11,40.26) ; C17.2 31.59,39.47 31.82,39.25 32.99,39.25 33.03,39.29 33.89,39.29 34.23,38.95 34.23,38.67 ; C17.2 31.59,39.78 v1(31.11,40.26) ; v1(31.11,40.26) 30.07,40.26 29.83,40.02 U5.2 v1(28.48,40.02) ; C11.2 28.48,38.53 v1(28.48,40.02) ; 34.18,38.71 34.34,38.56 U7.A3 ; v1(28.72,40.91) 28.48,40.91 v1(28.48,40.02) ; 28.48,41.57 C13.2
  Top w0.3: 35.1,39.85 34.57,39.85 ; 28.86,41.22 28.48,40.83 v1(28.48,40.02) ; 28.86,41.22 28.86,41.72 ; 28.86,41.22 28.86,41.05 v1(28.72,40.91) ; C13.2 28.33,41.72 28.86,41.72 ; 28.86,41.72 R25.1
  Bottom w0.11: 34.18,38.71 34.23,38.67 34.27,38.71 34.6,38.71 34.73,38.84 v3(34.73,39.95) ; v1(31.11,40.26) 31.16,40.26 ; C15.2 28.67,40.86 v1(28.72,40.91)
  Bottom w0.2: 34.23,38.67 34.23,39.06 C39.2 33.47,40.77 C38.2 ; C23.1 34.32,36.98 34.32,38.43 34.6,38.71
  vias: v3(34.23,38.67)
/afe/AVSSB: length 31.1
  Top w0.11: v3(38.27,38.71) 38.24,38.68 U7.A9 ; v1(41.45,40.26) 42.32,40.26 42.53,40.05 42.53,39.61 43.82,38.32 C14.2 44.28,39 44.12,39.16 v1(43.77,39.16) ; v1(41.45,40.26) 40.98,40.72 40.98,41.23 40.86,41.36 39.69,41.36 39.49,41.15 39.49,40.71 39.03,40.25 38.54,40.25 37.54,39.25 v3(37.32,39.25) 37.32,38.55 U7.A7 37.26,37.84 37.26,37.19 U7.C7 ; v1(41.45,40.26) 40.53,39.35 39.16,39.35 39.13,39.39 38.67,39.39 38.27,38.98 38.27,38.69 ; U6.2 v1(44.06,40.07)
  Top w0.3: 43.85,41.85 R26.1 ; 43.85,41.85 43.85,41.21 44.06,40.99 v1(44.06,40.07) ; 43.85,41.85 44.26,41.85 C12.2
  Bottom w0.11: v1(41.45,40.26) 41.42,40.24 ; 38.39,38.69 38.27,38.69 ; v1(43.77,39.16) 43.85,39.24 C16.2 ; v3(37.32,39.25) 37.85,38.71 v3(38.27,38.71)
  Bottom w0.2: C26.1 37.96,38.66 37.9,38.71 ; C26.1 37.9,38.04 37.9,37.18 37.64,36.91 C25.1 ; C26.1 37.88,38.18 37.88,39.18 38.64,39.95 39.13,39.95 39.13,40.92 C40.2
/ccd/VDDL: length 8.1
  Top w0.5: 47.38,42.5 47.96,42.5 C52.1 50.28,44.82 C51.1 50.82,44.82 51.21,45.22 51.21,46.5 U10.18
/ccd/VDDR: length 7.8
  Top w0.5: FB5.2 24.63,43.22 C45.1 23.27,43.95 C48.1 21.99,44.92 21.63,45.28 21.63,46.32 U10.3
/ccd_driver_v/V1S: length 10.6
  Top w0.3: 51.35,11.73 51.35,10.53 51.3,10.48 ; 52.3,11.73 52.3,10.68 52.1,10.48 51.3,10.48 ; 51.3,10.48 50.6,10.48 ; 50.6,10.48 50.6,10.98 50.28,11.3 R94.1 R95.2 50.6,10.28 50.6,10.48 ; 50,10.78 46.53,10.78 D20.3